# Altium PCB Плата верхняя версия 7 обычная(pretraced).PcbDoc (part 1 of 2) (continued)
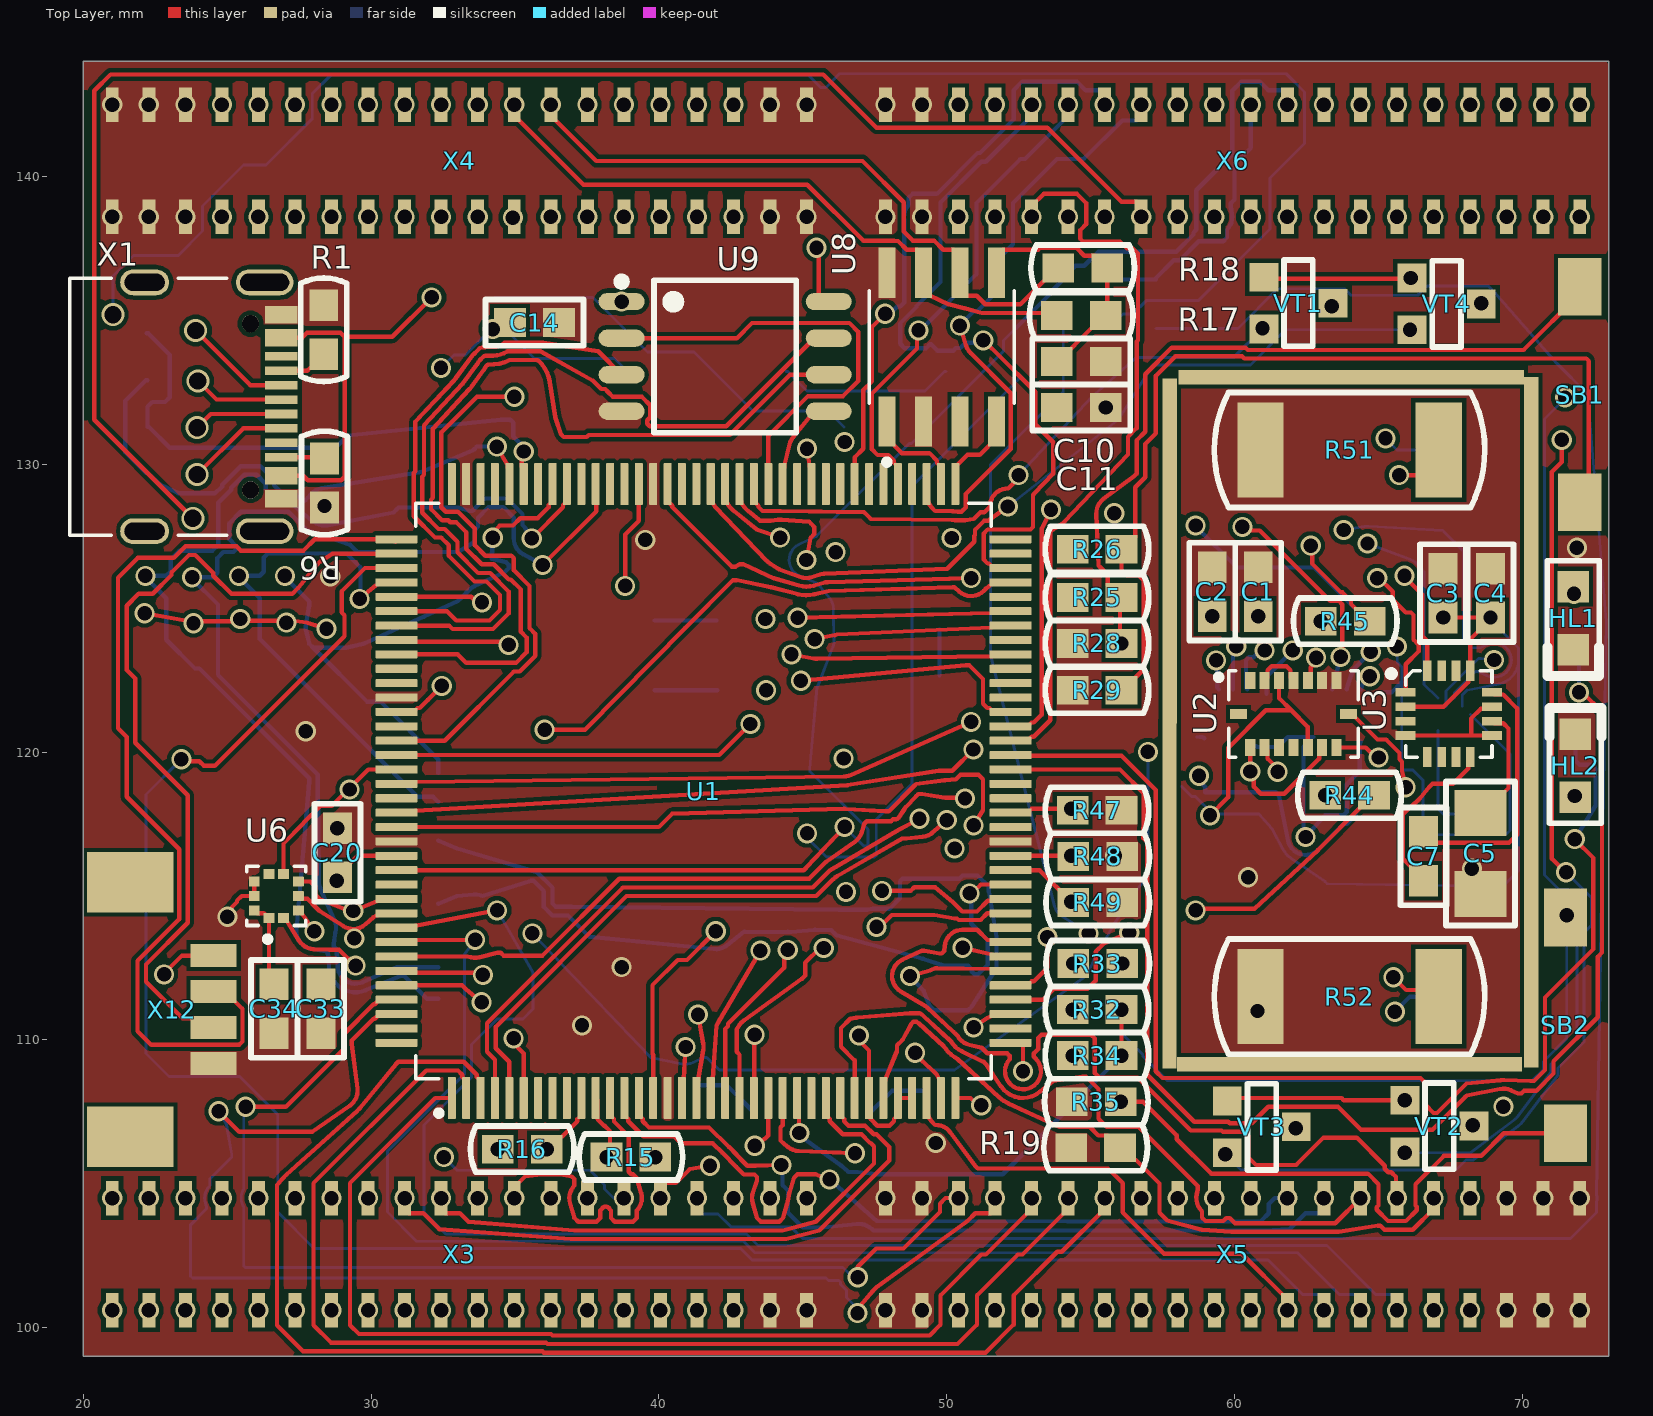
[diagram p0: Top Layer view]
## Footprints (in the part's own frame and the unit in brackets; to place one, negate y for a bottom-side part, rotate by r counter-clockwise, add the part's x,y. Pads: shape width x height; smd on the part's side, far side on the other; paste and mask are expansions set on the pad)
C0603 [mm] "1608M"
  rect 1.1x1 smd: 1(-0.85,0) 2(0.85,0)
  silkscreen extent -1.7,-0.8 1.7,0.8, body extent -0.8,-0.4 0.8,0.4, height 0.91
C1206 [mm] "3216M"
  rect 1.6x1.8 smd: 1(-1.4,0) 2(1.4,0)
  silkscreen extent -2.5,-1.2 2.5,1.2, body extent -1.6,-0.8 1.6,0.8, height 1.01
DTSM-32 [mm] "1 contact, Surface, 0.05A, 250V, H=5mm"
  rect 1.5x2 smd: 1(0,3.75) 2(0,-3.75)
  body extent -1.75,-4 1.75,4, height 5.5
"Headr 2x20 female" [mm]
  rect 1.2x0.45 smd: 1(-1.82,-10.962) 2(2.08,-10.962) 3(-1.82,-9.692) 4(2.08,-9.692) 5(-1.82,-8.422) 6(2.08,-8.422) 7(-1.82,-7.152) 8(2.08,-7.152) 9(-1.82,-5.882) 10(2.08,-5.882) 11(-1.82,-4.612) 12(2.08,-4.612) 13(-1.82,-3.342) 14(2.08,-3.342) 15(-1.82,-2.072) 16(2.08,-2.072) 17(-1.82,-0.802) 18(2.08,-0.802) 19(-1.82,0.468) 20(2.08,0.468) 21(-1.82,1.738) 22(2.08,1.738) 23(-1.82,3.008) 24(2.08,3.008) 25(-1.82,4.278) 26(2.08,4.278) 27(-1.82,5.548) 28(2.08,5.548) 29(-1.82,6.818) 30(2.08,6.818) 31(-1.82,8.088) 32(2.08,8.088) 33(-1.82,9.358) 34(2.08,9.358) 35(-1.82,10.628) 36(2.08,10.628) 37(-1.82,11.898) 38(2.08,11.898) 39(-1.82,13.168) 40(2.08,13.168)
HRO_TYPE-C-31-M-12 [mm]
  rect 0.6x1.14 smd mask+0.05: A1_B12(-3.2,4.75) A4_B9(-2.4,4.75) B1_A12(3.2,4.75) B4_A9(2.4,4.75)
  rect 0.3x1.14 smd mask+0.05: A5(-1.25,4.75) A6(-0.25,4.75) A7(0.25,4.75) A8(1.25,4.75) B5(1.75,4.75) B6(0.75,4.75) B7(-0.75,4.75) B8(-1.75,4.75)
  oval 0.9x2 hole 0.6 slot 1.7 at 90 deg: S1(-4.325,4.17) S2(4.325,4.17)
  oval 0.9x1.7 hole 0.6 slot 1.4 at 90 deg: S3(-4.325,0) S4(4.325,0)
  round 0.6 hole 0.6 unplated: ""(-2.89,3.68) ""(2.89,3.68)
  silkscreen extent -4.47,-2.6 4.47,2.85, body extent -4.47,-2.6 4.47,5.31, height 3.31
LD0805 [mm]
  rect 1.1x1.1 smd: 1(-1.1,0) 2(1.1,0)
  silkscreen extent -2,-0.9 2,0.9, body extent -1,-0.62 1,0.63, height 0.73
PBD1.27-40SA [mm]
  rect 1.2x0.45 smd: 1(-1.947,12.994) 2(1.953,12.994) 3(-1.947,11.724) 4(1.953,11.724) 5(-1.947,10.454) 6(1.953,10.454) 7(-1.947,9.184) 8(1.953,9.184) 9(-1.947,7.914) 10(1.953,7.914) 11(-1.947,6.644) 12(1.953,6.644) 13(-1.947,5.374) 14(1.953,5.374) 15(-1.947,4.104) 16(1.953,4.104) 17(-1.947,2.834) 18(1.953,2.834) 19(-1.947,1.564) 20(1.953,1.564) 21(-1.947,0.294) 22(1.953,0.294) 23(-1.947,-0.976) 24(1.953,-0.976) 25(-1.947,-2.246) 26(1.953,-2.246) 27(-1.947,-3.516) 28(1.953,-3.516) 29(-1.947,-4.786) 30(1.953,-4.786) 31(-1.947,-6.056) 32(1.953,-6.056) 33(-1.947,-7.326) 34(1.953,-7.326) 35(-1.947,-8.596) 36(1.953,-8.596) 37(-1.947,-9.866) 38(1.953,-9.866) 39(-1.947,-11.136) 40(1.953,-11.136)
"PicoBlade 4pin" [mm]
  rect 0.8x1.6 smd: 1(-1.84,1.525) 2(-0.59,1.525) 3(0.66,1.525) 4(1.91,1.525)
  rect 2.1x3 smd: S(-4.39,-1.375) S(4.46,-1.375)
PLCC16-0.5-3X3MM [mm]
  rect 0.7x0.3 smd: 1(0,2.25) 2(0,1.75) 3(0,1.25) 4(0,0.75) 9(3,0.75) 10(3,1.25) 11(3,1.75) 12(3,2.25)
  rect 0.3x0.7 smd: 5(0.75,0) 6(1.25,0) 7(1.75,0) 8(2.25,0) 13(2.25,3) 14(1.75,3) 15(1.25,3) 16(0.75,3)
  silkscreen extent -0.6,0 3,3
PQFN50P200X200X80-10N [mm]
  rrect9% 0.35x0.38 smd: 1(-0.765,0.25) 2(-0.765,-0.25) 3(-0.5,-0.765) 4(0,-0.765) 5(0.5,-0.765) 6(0.765,-0.25) 7(0.765,0.25) 8(0.5,0.765) 9(0,0.765) 10(-0.5,0.765)
  silkscreen extent -1.6,-1.03 1.03,1.03
PQFN50P450X300X100-16N [mm]
  rect 0.35x0.59 smd: 1(-1.5,1.165) 2(-1,1.165) 3(-0.5,1.165) 4(0,1.165) 5(0.5,1.165) 6(1,1.165) 7(1.5,1.165) 9(1.5,-1.165) 10(1,-1.165) 11(0.5,-1.165) 12(0,-1.165) 13(-0.5,-1.165) 14(-1,-1.165) 15(-1.5,-1.165)
  rect 0.59x0.35 smd: 8(1.915,0) 16(-1.915,0)
  silkscreen extent -2.7,-1.5 2.25,1.5
QFP50P2200X2200X160-144N [mm]
  rrect25% 1.47x0.28 smd: 1(-10.67,8.75) 2(-10.67,8.25) 3(-10.67,7.75) 4(-10.67,7.25) 5(-10.67,6.75) 6(-10.67,6.25) 7(-10.67,5.75) 8(-10.67,5.25) 9(-10.67,4.75) 10(-10.67,4.25) 11(-10.67,3.75) 12(-10.67,3.25) 13(-10.67,2.75) 14(-10.67,2.25) 15(-10.67,1.75) 16(-10.67,1.25) 17(-10.67,0.75) 18(-10.67,0.25) 19(-10.67,-0.25) 20(-10.67,-0.75) 21(-10.67,-1.25) 22(-10.67,-1.75) 23(-10.67,-2.25) 24(-10.67,-2.75) 25(-10.67,-3.25) 26(-10.67,-3.75) 27(-10.67,-4.25) 28(-10.67,-4.75) 29(-10.67,-5.25) 30(-10.67,-5.75) 31(-10.67,-6.25) 32(-10.67,-6.75) 33(-10.67,-7.25) 34(-10.67,-7.75) 35(-10.67,-8.25) 36(-10.67,-8.75) 73(10.67,-8.75) 74(10.67,-8.25) 75(10.67,-7.75) 76(10.67,-7.25) 77(10.67,-6.75) 78(10.67,-6.25) 79(10.67,-5.75) 80(10.67,-5.25) 81(10.67,-4.75) 82(10.67,-4.25) 83(10.67,-3.75) 84(10.67,-3.25) 85(10.67,-2.75) 86(10.67,-2.25) 87(10.67,-1.75) 88(10.67,-1.25) 89(10.67,-0.75) 90(10.67,-0.25) 91(10.67,0.25) 92(10.67,0.75) 93(10.67,1.25) 94(10.67,1.75) 95(10.67,2.25) 96(10.67,2.75) 97(10.67,3.25) 98(10.67,3.75) 99(10.67,4.25) 100(10.67,4.75) 101(10.67,5.25) 102(10.67,5.75) 103(10.67,6.25) 104(10.67,6.75) 105(10.67,7.25) 106(10.67,7.75) 107(10.67,8.25) 108(10.67,8.75)
  rrect25% 0.28x1.47 smd: 37(-8.75,-10.67) 38(-8.25,-10.67) 39(-7.75,-10.67) 40(-7.25,-10.67) 41(-6.75,-10.67) 42(-6.25,-10.67) 43(-5.75,-10.67) 44(-5.25,-10.67) 45(-4.75,-10.67) 46(-4.25,-10.67) 47(-3.75,-10.67) 48(-3.25,-10.67) 49(-2.75,-10.67) 50(-2.25,-10.67) 51(-1.75,-10.67) 52(-1.25,-10.67) 53(-0.75,-10.67) 54(-0.25,-10.67) 55(0.25,-10.67) 56(0.75,-10.67) 57(1.25,-10.67) 58(1.75,-10.67) 59(2.25,-10.67) 60(2.75,-10.67) 61(3.25,-10.67) 62(3.75,-10.67) 63(4.25,-10.67) 64(4.75,-10.67) 65(5.25,-10.67) 66(5.75,-10.67) 67(6.25,-10.67) 68(6.75,-10.67) 69(7.25,-10.67) 70(7.75,-10.67) 71(8.25,-10.67) 72(8.75,-10.67) 109(8.75,10.67) 110(8.25,10.67) 111(7.75,10.67) 112(7.25,10.67) 113(6.75,10.67) 114(6.25,10.67) 115(5.75,10.67) 116(5.25,10.67) 117(4.75,10.67) 118(4.25,10.67) 119(3.75,10.67) 120(3.25,10.67) 121(2.75,10.67) 122(2.25,10.67) 123(1.75,10.67) 124(1.25,10.67) 125(0.75,10.67) 126(0.25,10.67) 127(-0.25,10.67) 128(-0.75,10.67) 129(-1.25,10.67) 130(-1.75,10.67) 131(-2.25,10.67) 132(-2.75,10.67) 133(-3.25,10.67) 134(-3.75,10.67) 135(-4.25,10.67) 136(-4.75,10.67) 137(-5.25,10.67) 138(-5.75,10.67) 139(-6.25,10.67) 140(-6.75,10.67) 141(-7.25,10.67) 142(-7.75,10.67) 143(-8.25,10.67) 144(-8.75,10.67)
  silkscreen extent -11.29,-10 10,10
R0603 [mm] "1608M"
  rect 1.1x1 smd: 1(-0.85,0) 2(0.85,0)
  silkscreen extent -1.8,-0.8 1.8,0.8, body extent -0.8,-0.4 0.8,0.4, height 0.38
R2512 [mm] "6432M"
  rect 1.6x3.3 smd: 1(-3.1,0) 2(3.1,0)
  silkscreen extent -4.7,-2 4.7,2, body extent -3.2,-1.6 3.2,1.6, height 0.7
SD [mm]
  rect 0.5x1.47 smd: 1(-5,-4.325) 2(-4,-4.325)
  rect 0.7x1.47 smd: 3(-2.65,-4.325) 4(-1.55,-4.325) 5(-0.45,-4.325) 6(0.65,-4.325) 7(1.75,-4.325) 8(2.85,-4.325) 9(3.95,-4.325) CD(5.05,-4.325)
  rect 0.98x1.2 smd: S1(-7.05,3.8) S2(7.8,3.8) S3(7.725,7.225) S4(-7,7.15)
SOIC127P600X175-8N [mm]
  rect 1.75x0.59 smd: 1(-2.585,1.905) 2(-2.585,0.635) 3(-2.585,-0.635) 4(-2.585,-1.905) 5(2.585,-1.905) 6(2.585,-0.635) 7(2.585,0.635) 8(2.585,1.905)
  silkscreen extent -4.1,-2.52 1.95,2.52, body extent -3,-2.45 3,2.45, height 1.75
SOIC127P790X216-8N [mm]
  oval 1.6x0.6 smd: 1(-3.6,1.905) 2(-3.6,0.635) 3(-3.6,-0.635) 4(-3.6,-1.905) 5(3.6,-1.905) 6(3.6,-0.635) 7(3.6,0.635) 8(3.6,1.905)
  silkscreen extent -3.82,-2.65 2.47,2.82
SOT-23 [mm] "КТ-46"
  rect 1x1 smd: 1(-0.9,-1.2) 2(0,1.2) 3(0.9,-1.2)
  silkscreen extent -1.5,-0.5 1.5,0.5, body extent -1.5,-1.15 1.5,1.15, height 1.11
SOT-428 [mm] "КТ-89, DPAK, TO-252"
  rect 1.2x1.5 smd: 1(-2.222,-4.763) 3(2.223,-4.763)
  rect 5.5x6.5 smd: 2(0,1.905)
  silkscreen extent -3.17,-3 3.18,3.17, body extent -3.25,-5.28 3.25,4.86, height 2.43
XDCR_BMI270 [mm]
  rect 0.475x0.25 smd: 1(-1.162,0.75) 2(-1.162,0.25) 3(-1.162,-0.25) 4(-1.162,-0.75) 8(1.162,-0.75) 9(1.162,-0.25) 10(1.162,0.25) 11(1.162,0.75)
  rect 0.25x0.475 smd: 5(-0.5,-0.912) 6(0,-0.912) 7(0.5,-0.912) 12(0.5,0.913) 13(0,0.913) 14(-0.5,0.913)
  silkscreen extent -2.08,-1.25 1.5,1.25, body extent -1.5,-1.25 1.5,1.25, height 0.87
XDCR_BMM150 [mm]
  round 0.2 smd: A1(-0.601,0.601) A3(-0.035,0.601) A5(0.531,0.601) B2(-0.318,0.318) B4(0.248,0.318) C1(-0.601,0.035) C5(0.531,0.035) D2(-0.318,-0.248) D4(0.248,-0.248) E1(-0.601,-0.531) E3(-0.035,-0.531) E5(0.531,-0.531)
  silkscreen extent -1.38,-1.02 1.02,1.02
XTAL_NX5032GA-8.000M-STD-CSU-1 [mm]
  rect 2x2.4 smd: 1(-2,0) 2(2,0)
  silkscreen extent -2.5,-1.6 2.5,1.6, body extent -2.5,-1.6 2.5,1.6, height 1.5

## Part data
C1 C2 C3 C4 C5 C6 C7 C8 C9 C10 C11 C12 C13 C14 C15 C16 C17 C18 C19 C20 C21 C22 C23 C24 C25 C26 C27 C28 C29 C30 C31 C32 C33 C35 C36 C38: library part C1_POSTOYANNYJ, "Конденсатор постоянной емкости"
C34 C37: "Конденсатор постоянной емкости"
HL1 HL2 HL3 HL4 HL5: library part Led-1, Published=03.12.2013, Publisher="Andrew Danich", Type="Индикатор единичный"
R1 R2 R3 R4 R5 R6 R7 R8 R9 R10 R11 R12 R13 R14 R15 R16 R17 R18 R19 R24 R25 R26 R27 R28 R29 R30 R31 R32 R33 R34 R35: library part R1_POSTOYANNYJ, "Резистор постоянный", Simulation ModelName=Resistors, Simulation PortMap=(1:1),(2:2)
R43 R44 R45 R46: library part Resistor, Published=24.03.2010, Publisher="Andrew Danich", Type=Резистор
R47 R48 R49 R50 R51 R52 R53 R54: library part Resistor_0,25W, Published=19.09.2014, Publisher="Andrew Danich", Type=Резистор
SB1 SB2: library part BT-01x-01p-LED, Published=17.04.2014, Publisher="Andrew Danich", Type=Переключатель
U1: "MCU"
U2 U4: "IMU"
U3 U5: "Compass"
U6: "Barometer"
U7: library part QMI8658, "IMU"
U8: "CAN-Transciever"
U9: "Memory 4MB"
U10 U11: "LDO"
VT1 VT2 VT4: library part MOSFET-N, Published=24.09.2010, Publisher="Andrew Danich", Type=Транзистор
X2: library part MICROSD, "Описание свойств компонента"
Z1: library part KX-38T
VT3: Published=24.09.2010, Publisher="Andrew Danich", Type=Транзистор

## Free pads (board coordinates)
  rect 0.5x12 smd: 17(57.743,115.002) 17(57.745,126.986) 17(70.316,115.045) 17(70.318,127.03)
  rect 0.5x12 smd far side: 17(57.743,115.002) 17(57.745,126.986) 17(70.316,115.045) 17(70.318,127.03)
  rect 12x0.5 smd far side: 17(64,109) 17(64.061,133.031)
  rect 12x0.5 smd: 17(64,109.15) 17(64.061,133.031)

## Via types
v1: diameter 0.7, hole 0.5, Top Layer to Bottom Layer, 349 vias
v2: diameter 0.8, hole 0.6, Top Layer to Bottom Layer, 6 vias

## Nets (pads, with @x,y where several pads share a name; then routed paths per layer and width w, separated by ;. In a path a pad name is that pad's centre, name@x,y a point inside that pad or via, vN(x,y) a via of type N, cw(c..) or ccw(c..) an arc to the next point about the centre after c; other vN are vias at no path point)
3V3: C6.1 C14.2 C15.2 C16.2 C17.2 C18.2 C19.2 C20.2 C21.1 C24.1 C25.1 C26.1 C27.1 C28.1 C29.1 C30.1 C36.2 R11.1 R12.1 R13.1 R14.2 R25.2 R26.2 R30.1 R32.2 R33.2 R43.2 R44.2 R45.2 R46.2 U1.6 U1.17 U1.30 U1.32 U1.33 U1.39 U1.52 U1.62 U1.72 U1.84 U1.95 U1.108 U1.121 U1.131 U1.144 U9.8 U11.3 X2.4 X3.9 X3.10 X6.31 X6.32 X7.9 X7.10 X10.31 X10.32 X12.1 | length 64.2
  Top Layer w0.15: v1(22.125,124.825) 23.538,124.575 23.725,124.575 v1(23.825,124.475) 23.9,124.55 25.375,124.55 v1(25.45,124.625) 25.513,124.562 26.987,124.562 v1(27.05,124.5) 27.125,124.575 27.249,124.575 27.75,124.505 v1(28.444,124.287) ; v1(22.8,112.275) 22.8,112.3 23.425,112.925 X12.1@24.525,112.925 ; C20.2@28.825,115.65 28.825,115.7 29.52,116.395 U1.131@30.88,116.395 ; U1.121@30.88,121.395 31.475,121.395 31.61,121.53 31.688,121.53 31.963,121.805 31.963,121.813 v1(32.45,122.3) ; v1(34.95,110.05) 34.95,109.874 35.3,109.524 U1.6@35.3,107.975 ; v1(38.825,125.778) 38.825,127.559 39.3,128.034 U1.95@39.3,129.315 ; U1.17@40.8,107.975 40.865,108.635 v1(40.925,109.75) ; v1@45.55,137.525 45.55,135.863 45.758,135.655 U9.8@45.9,135.655 ; v1(46.95,110.15) 46.95,109.974 47.3,109.624 U1.30@47.3,107.975 47.365,107.91 47.365,107.237 47.587,107.015 48.013,107.015 48.165,107.167 48.165,107.245 48.3,107.38 U1.32@48.3,107.975 U1.33@48.8,107.975 ; v1(50.935,110.43) 51.412,110.76 51.56,110.83 U1.39@52.22,110.895
  Layer 1 w0.15: v1(22.8,112.275) 25.55,112.275 v1(28.8,115.525) 32.45,119.175 v1(32.45,122.3) 30.431,122.3 v1(28.444,124.287)
  Bottom Layer w0.1: v1(32.425,133.35) 32.875,133.8 33.277,133.8 34.1,134.623 v1@34.225,134.623 ; v1(34.225,134.7) v1@34.225,134.623 ; C16.2@38.9,133.225 38.45,133.675 35.675,133.675 34.825,134.525 34.825,134.875 34.573,134.623 v1@34.225,134.623 ; C27.1@44.425,133.225 44.475,133.225 45.15,132.55 49.25,132.55 49.925,133.225 C26.1@49.975,133.225
  other v1: 26.08,100.6 26.08,104.5 54.375,111.05 54.4,112.65 50.275,116.65 63.15,118.5 63,124.55 43.7,124.625 46.14,126.95 50.172,127.44 45.475,137.525 66.92,138.6 66.92,142.5
3V3_SENSOR: C1.1 C2.1 C3.1 C4.1 C12.1 C13.1 C22.1 C23.1 C32.2 C33.1 C34.1 C37.1 C38.1 R15.1 R16.1 R31.1 U2.3 U2.11 U3.2 U3.13 U4.5 U4.8 U5.B2 U5.E5 U6.1 U6.10 U7.5 U7.8 U10.3 | length 59
  Top Layer w0.15: U6.10@25.935,114.5 26.035,114.4 26.27,114.4 26.435,114.235 U6.1@26.45,114.235 26.45,112.1 C34.1@26.625,111.925 ; v1(59.15,117.8) 59.783,118.433 59.783,120.146 61.087,121.45 61.975,121.45 ; U2.3@61.55,122.49 61.55,121.875 61.975,121.45 ; U2.11@62.55,120.16 62.55,120.875 61.975,121.45 ; U3.2@65.95,121.575 67.268,121.575 68.125,122.432 68.125,122.75 U3.13@68.2,122.825 68.2,123.925 68.9,124.625 v1(68.9,124.675) v1(67.25,124.675)
  Bottom Layer w0.1: 58.168,118.801 58.52,118.45 58.65,118.45 59.2,117.9 C38.1@59.2,117.85 C37.1@60.85,117.85 61.3,117.35 61.679,116.631 ccw(c62.475,117.05) 61.97,116.305 63.138,115.512 63.196,115.454 63.225,115.425 68.241,115.35 ccw(c68.25,115.95) 68.289,115.351 69.422,115.425 69.875,115.878 69.875,123.2 ; U4.8@58.675,120.525 U4.8@58.788,120.525 ; U5.E5@67.069,120.744 67.069,118.031 C23.1@67.25,117.85 C22.1@68.85,117.85 ; U5.B2@67.918,121.593 67.918,121.94 67.926,121.99 68.087,122.151 69.188,122.366 ccw(c69.025,123.2) 69.875,123.2 ; v1(68.9,124.675) 68.9,124.59 69.875,123.615 69.875,123.2
  Bottom Layer w0.15: U4.8@58.788,120.525 58.9,120.525 U4.8@58.95,120.475 ; U4.5@60.45,120.363 60.45,120.25 60.5,120.2 60.757,120.2 60.782,120.175 61.503,120.175 61.853,120.525 U7.8@62.738,120.525 62.625,120.525 62.575,120.475 62.575,120.363 62.4,120.188 62.4,117.125 v1(62.475,117.05) 63.062,117.712 63.15,117.8 63.783,117.8 63.9,117.917 63.9,118.883 64.35,119.333 64.35,120.313 U7.5@64.4,120.363
  other v1: 39.875,105.925 34.4,106.2 46.499,115.143 43.725,122.15 59.225,124.725 60.825,124.725
4V1: X6.27 X6.28 X6.29 X6.30 X10.27 X10.28 X10.29 X10.30 | length 6.4
  Layer 1 w0.15: v1(64.38,138.6) v1(65.65,138.6) v1(65.65,142.5) v1(64.38,142.5)
4V2: X3.11 X3.12 X3.13 X3.14 X7.11 X7.12 X7.13 X7.14
  other v1: 27.35,100.6 28.62,100.6 27.35,104.5 28.62,104.5
5V: C11.1 C31.2 C35.2 HL5.2 U8.3 U10.1 U11.1 X3.7 X3.8 X6.33 X6.34 X7.7 X7.8 X10.33 X10.34 | length 23.4
  Layer 1 w0.15: v1(24.81,100.6) v1(24.81,104.5) ; v1(68.19,138.6) v1(68.19,142.5)
  Bottom Layer w0.1: HL5.2@34.3,135.8 37.706,135.8 39.606,133.9 41.222,133.9 43.272,131.85 45.875,131.85 U11.1@46.425,131.3
  Bottom Layer w0.15: C35.2@49.75,122.675 C31.2@49.75,124.25
  other v1: 46.417,119.775 46.45,130.775
GND: C1.2 C2.2 C3.2 C4.2 C5.1 C6.2 C8.1 C9.1 C10.1 C11.2 C12.2 C13.2 C14.1 C15.1 C16.1 C17.1 C18.1 C19.1 C20.1 C21.2 C22.2 C23.2 C24.2 C25.2 C26.2 C27.2 C28.2 C29.2 C30.2 C31.1 C32.1 C33.2 C34.2 C35.1 C36.1 C37.2 C38.2 HL1.2 HL2.2 HL3.2 HL4.2 R1.2 R6.2 R19.1 R28.1 R29.1 R34.1 R35.1 R47.2 R48.2 R49.2 R50.2 R51.2 R52.2 R53.2 R54.2 U1.16 U1.38 U1.51 U1.61 U1.83 U1.94 U1.107 U1.120 U1.130 U2.2 U2.4 U2.6 U2.7 U3.4 U3.9 U3.11 U4.6 U4.7 U5.A1 U5.C5 U5.E1 U5.E3 U6.3 U6.8 U6.9 U7.6 U7.7 U8.2 U8.8 U9.4 U10.2 U11.2 X1.A1_B12 X1.B1_A12 X2.6 X2.S1 X2.S2 X3.37 X3.38 X3.39 X3.40 X4.1 X4.2 X4.3 X4.4 X4.5 X4.6 X4.37 X4.38 X4.39 X4.40 X5.1 X5.2 X5.3 X5.4 X5.35 X5.36 X5.37 X5.38 X5.39 X5.40 X6.1 X6.2 X6.3 X6.4 X7.37 X7.38 X7.39 X7.40 X8.1 X8.2 X8.3 X8.4 X8.5 X8.6 X8.37 X8.38 X8.39 X8.40 X9.1 X9.2 X9.3 X9.4 X9.35 X9.36 X9.37 X9.38 X9.39 X9.40 X10.1 X10.2 X10.3 X10.4 X12.4 | length 22.6
  Top Layer w0.15: v1(25,114.275) 25,114.451 25.337,114.787 25.337,114.837 25.5,115 U6.9@25.935,115 U6.8@25.935,115.5 ; U6.3@27.465,114.5 27.58,114.4 v1(28.024,113.774) ; v1(45.146,130.548) 45.235,129.975 U1.83@45.3,129.315 ; U2.2@61.05,122.49 61.15,122.59 61.15,122.843 61.292,122.985 61.808,122.985 61.95,122.843 61.95,122.59 U2.4@62.05,122.49 ; U3.4@65.95,120.575 68.225,120.575 ; U3.9@68.95,120.575 68.225,120.575 ; U3.11@68.95,121.575 68.875,121.5 68.557,121.5 68.225,121.168 68.225,120.575
  Layer 1 w0.15: v1(55.85,116.4) 56.6,115.65 v1(60.475,115.65)
  Layer 2 w0.15: v1(43.86,104.5) v1(45.13,104.5) v1(47.87,104.5) v1(49.14,104.5) 49.14,104.671 49.621,105.152 v1(49.621,106.415)
  other v1: 43.86,100.6 45.13,100.6 47.87,100.6 49.14,100.6 69.46,100.6 70.73,100.6 72,100.6 69.46,104.5 70.73,104.5 72,104.5 54.375,109.45 37.325,110.5 60.8,111 38.7,112.525 68.25,115.95 28.825,117.35 27.725,120.725 28.575,126.1 71.9,127.1 39.525,127.375 28.375,128.55 55.525,131.975 21,138.6 22.27,138.6 23.54,138.6 43.86,138.6 45.13,138.6 47.87,138.6 49.14,138.6 21,142.5 22.27,142.5 23.54,142.5 43.86,142.5 45.13,142.5 47.87,142.5 49.14,142.5
NetC5_2: C5.2 U3.10 | length 4.1
  Top Layer w0.15: C5.2@68.55,117.875 68.65,117.875 69.525,118.75 69.525,120.818 69.343,121 69.025,121 U3.10@68.95,121.075
NetC7_1: C7.1 U3.12 | length 9
  Top Layer w0.15: C7.1@66.575,117.225 66.95,116.85 69.543,116.85 69.825,117.132 69.825,121.518 69.343,122 69.025,122 U3.12@68.95,122.075
NetC7_2: C7.2 U3.8 | length 6
  Top Layer w0.15: C7.2@66.575,115.525 66.575,115.575 65.85,116.3 65.85,117.806 65.875,117.858 65.992,117.975 66.366,118.309 ccw(c65.95,118.775) 66.431,118.375 66.794,118.812 66.882,118.9 67.593,118.9 68.125,119.432 68.125,119.75 U3.8@68.2,119.825
NetC8_2: C8.2 U1.24 Z1.2 | length 6.5
  Top Layer w0.15: U1.24@44.3,107.975 44.3,107.034 44.225,106.959 44.225,106.503 44.313,106.415 44.488,106.274 ccw(c44.881,106.76) 44.856,106.135 v1(46.812,106.058)
  Bottom Layer w0.15: Z1.2@47.275,107.4 48.1,108.225 C8.2@49.25,108.225
NetC9_2: C9.2 U1.23 Z1.1 | length 4.3
  Top Layer w0.15: v1(43.326,106.32) 43.712,106.587 43.8,106.675 U1.23@43.8,107.975
  Bottom Layer w0.15: C9.2@41.325,108.425 42.35,108.425 43.275,107.5 Z1.1@43.275,107.4
NetC10_2: C10.2 R17.2 R18.1 U8.5 | length 8.9
  Top Layer w0.15: U8.5@51.73,136.66 51.73,137.24 51.95,137.46 53.177,137.46 53.242,137.525 54.508,137.525 54.783,137.25 55.15,137.25 R18.1@55.575,136.825 55.575,135.225 R17.2@55.525,135.175 55.1,134.75 55.05,134.75 53.875,133.575 C10.2@53.825,133.575
NetHL1_1: HL1.1 R24.2
  other v1: 71.8,125.5
NetHL2_1: HL2.1 R27.2
  other v1: 71.825,118.475
NetHL3_1: HL3.1 R30.2 | length 2.2
  Bottom Layer w0.15: HL3.1@39.85,124.575 R30.2@42,124.575
NetHL4_1: HL4.1 R31.2 | length 2.2
  Bottom Layer w0.15: HL4.1@39.85,122.15 R31.2@42.025,122.15
NetR1_1: R1.1 X1.A5 | length 1.7
  Top Layer w0.15: X1.A5@26.875,133.25 27.775,133.25 27.875,133.35 27.925,133.35 28.35,133.775 R1.1@28.35,133.825
NetR2_1: R2.1 X1.A6 | length 3.2
  Top Layer w0.15: v2(23.975,132.9) 24.625,132.25 X1.A6@26.875,132.25
NetR2_2: R2.2 R5.2 U1.104 | length 19.1
  Top Layer w0.15: v1(34.365,130.617) 34.735,129.975 U1.104@34.8,129.315
  Bottom Layer w0.15: R2.2@22.225,132.925 22.175,132.925 21.45,132.2 21.45,130.425 22.175,129.7 R5.2@22.225,129.7 22.7,129.275 23.292,129 24.558,129 24.733,129.14 24.821,129.228 24.821,129.292 25.463,129.935 26.147,129.935 26.63,129.452 26.63,129.269 26.949,128.95 27.373,128.95 27.578,128.745 27.647,128.745 27.702,128.745 27.79,128.833 27.908,128.965 cw(c28.375,128.55) 28.274,129.167 31.78,129.744 33.516,130.477 33.564,130.51 33.671,130.617 v1(34.365,130.617)
NetR3_1: R3.1 X1.A7 | length 3.1
  Top Layer w0.15: v2(23.95,131.275) 24.425,131.75 X1.A7@26.875,131.75
NetR3_2: R3.2 R4.2 U1.103 | length 19.8
  Top Layer w0.15: U1.103@35.3,129.315 35.235,129.975 35.235,130.382 v1(35.3,130.447)
  Bottom Layer w0.15: R4.2@22.2,134.55 22.25,134.55 23,133.8 23,132.332 22.834,132.166 22.391,132.166 22.225,132 R3.2@22.225,131.3 22.275,131.3 23,130.575 28.754,130.575 29.178,130.999 34.511,131.547 34.514,131.55 34.575,131.55 34.834,131.55 34.934,131.45 34.934,130.964 35.3,130.598 v1(35.3,130.447)
NetR4_1: R4.1 X1.B7 | length 3.8
  Top Layer w0.15: v2(23.9,134.65) 25.8,132.75 X1.B7@26.875,132.75
NetR5_1: R5.1 X1.B6 | length 3.6
  Top Layer w0.15: v2(23.95,129.65) 25.55,131.25 X1.B6@26.875,131.25
NetR6_1: R6.1 X1.B5 | length 1.5
  Top Layer w0.15: X1.B5@26.875,130.25 28.325,130.25 R6.1@28.375,130.2
NetR7_1: R7.1 R9.2 U1.132 X6.24 X10.24 | length 56.1
  Top Layer w0.15: U1.132@30.88,115.895 45.033,115.895 45.121,115.983 v1(46.45,117.4)
  Bottom Layer w0.1: v1(46.45,117.4) 47.118,116.732 47.201,116.732 47.26,116.79 47.26,117.315 45.271,119.304 45.241,119.334 45.241,119.416 45.493,122.27 45.509,122.285 45.529,122.306 46.044,123.651 ccw(c45.484,123.865) 46.083,123.881 46.057,124.863 cw(c46.157,124.865) 46.057,124.865 46.057,124.873 ccw(c45.466,124.975) 45.926,125.36 45.529,125.836 45.496,125.868 44.893,126.122 cw(c45.125,126.675) 44.871,127.219 45.471,127.498 45.529,127.557 48.7,130.728 48.775,130.728 51.975,133.928 51.975,134.3 R7.1@52.425,134.75
  Bottom Layer w0.15: R7.1@52.425,134.75 53.625,135.95 53.625,136 R9.2@54.05,136.425 54.05,136.475 54.475,136.9 54.782,136.9 55.273,137.391 57.979,137.391 58.575,137.987 58.575,138.05 58.675,138.15 58.675,139.527 59.925,140.777 59.925,142.983 60.242,143.3 60.878,143.3 61.178,143 61.68,143 61.84,142.84 v1(61.84,142.5)